# Allegro board MB1225_REVB_160222_1K.brd (continued)
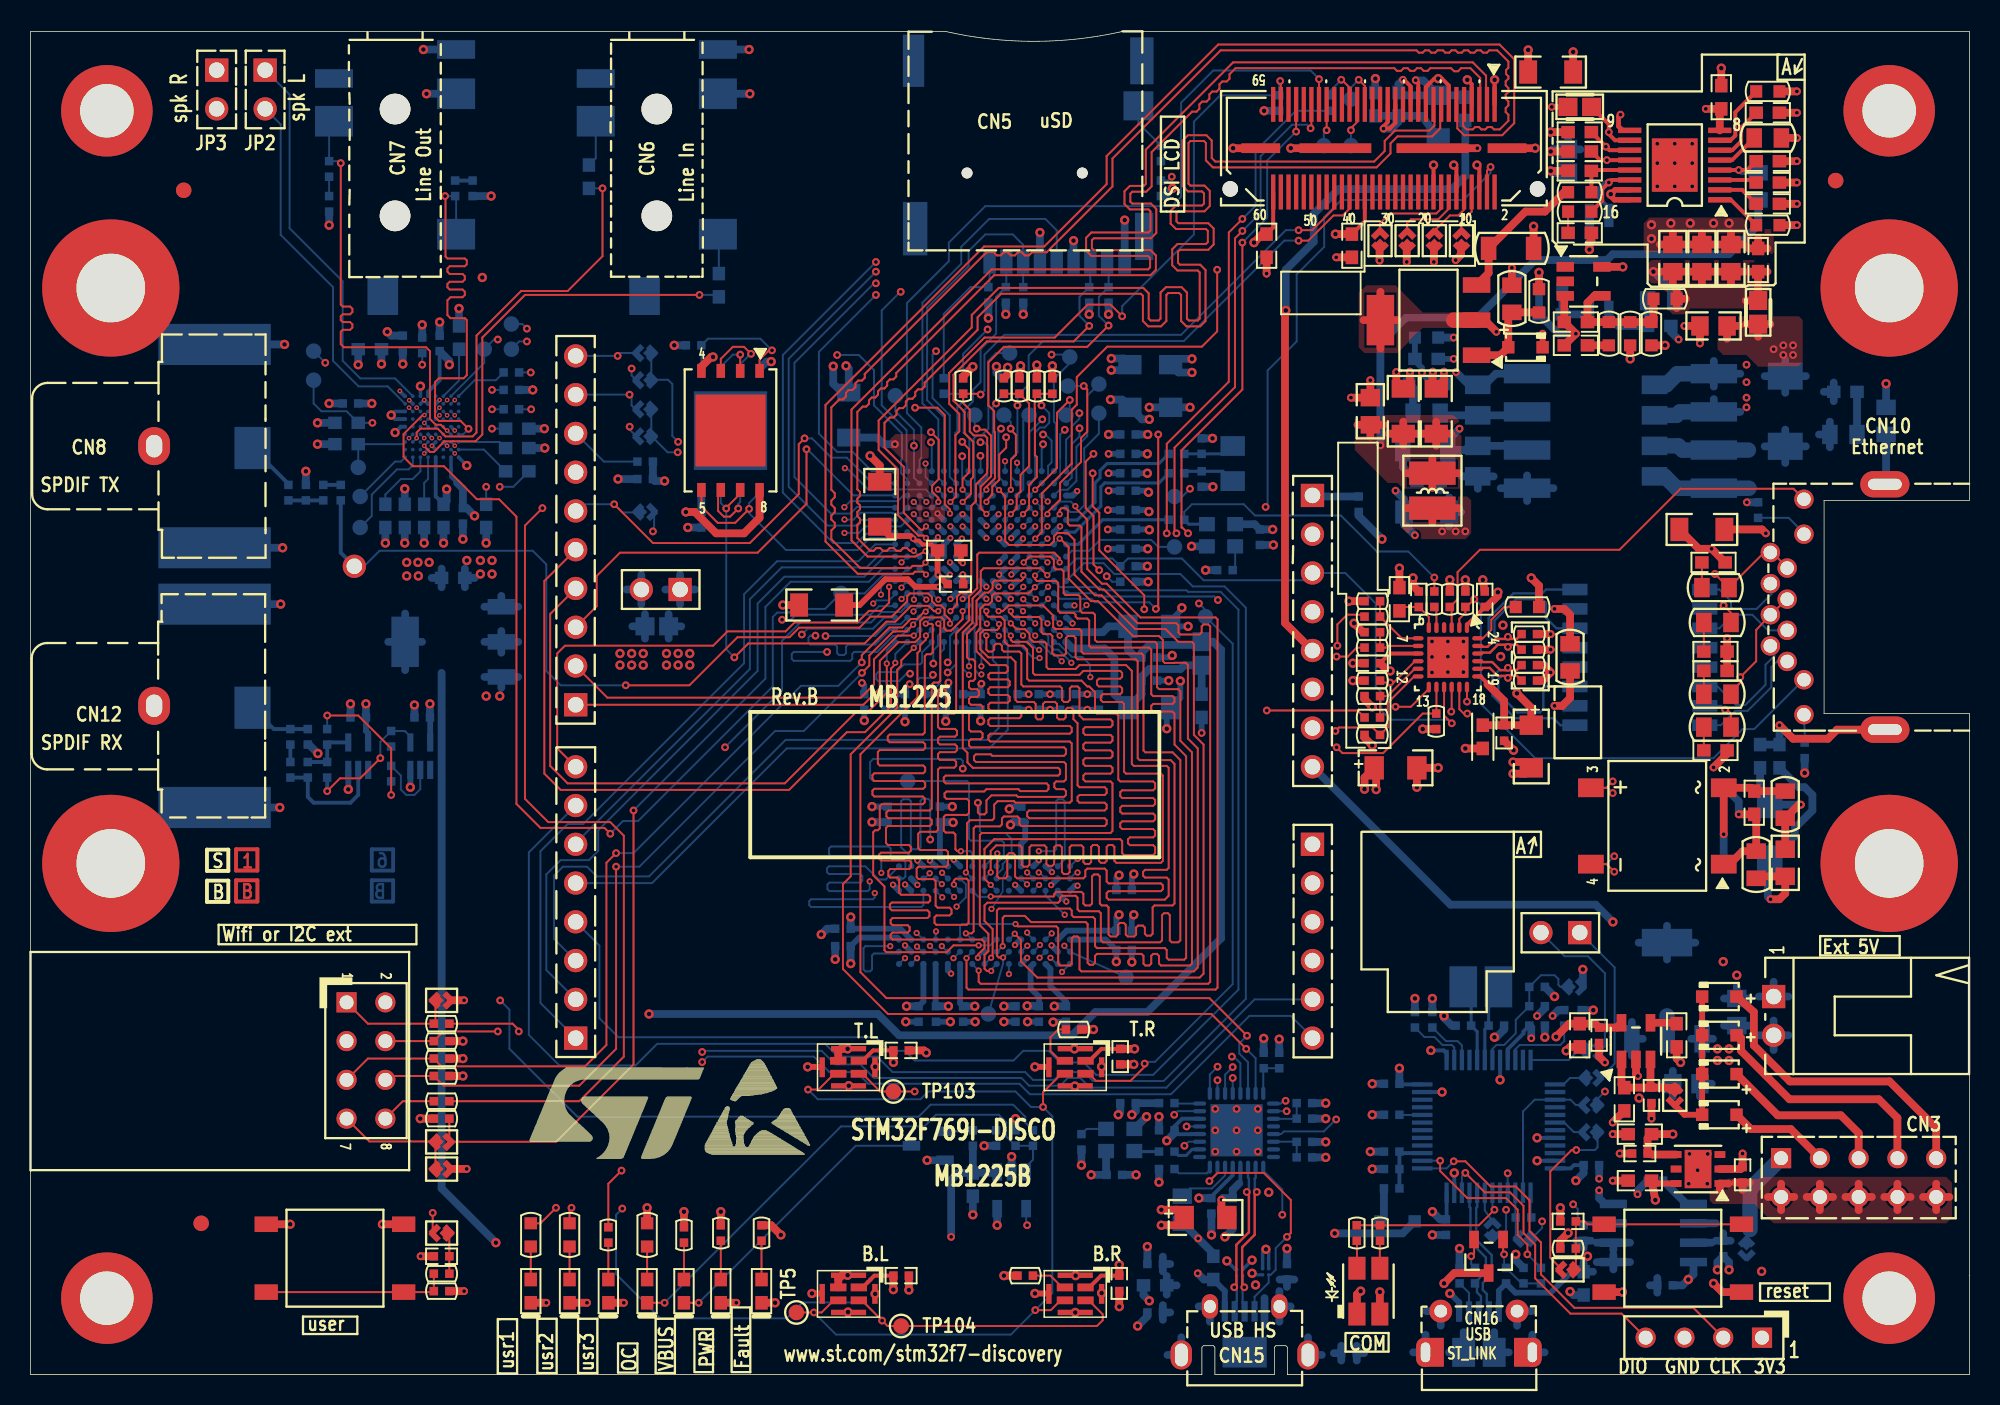
[diagram p0: board, top side]
## Placement (name value [footprint] x y rotation side) (continued)
SB5  Solder Bridge OFF  [JP2_SMD]  26.92 24.51 180 top
SB6  Solder Bridge OFF  [JP2_SMD]  26.92 15.24 180 top
SB7  Solder Bridge ON  [JP2_SMD]  107.7 18.29 90 top
SB8  Solder Bridge ON  [JP2_SMD]  26.92 13.46 180 top
SB9  Solder Bridge ON  [JP2_SMD]  26.93 9.27 0 top
SB10  Solder Bridge ON  [JP2_SMD]  100.71 6.86 0 top
SB11  Solder Bridge OFF  [JP2_SMD]  40.26 66.93 0 bottom
SB12  Solder Bridge ON  [JP2_SMD]  40.26 65.15 0 bottom
SB13  Solder Bridge OFF  [JP2_SMD]  40.26 63.25 0 bottom
SB14  Solder Bridge ON  [JP2_SMD]  40.26 61.47 0 bottom
SB15  Solder Bridge ON  [JP2_SMD]  40.26 56.52 180 bottom
SB16  Solder Bridge OFF  [JP2_SMD]  101.09 25.4 180 bottom
SB17  Solder Bridge ON  [JP2_SMD]  102.23 21.21 180 bottom
SB18  Solder Bridge ON  [JP2_SMD]  102.23 19.43 180 bottom
SB19  Solder Bridge ON  [JP2_SMD]  102.23 17.65 0 bottom
SB20  Solder Bridge ON  [JP2_SMD]  102.23 15.88 0 bottom
SB21  Solder Bridge ON  [JP2_SMD]  95.76 9.45 270 bottom
SB22  Solder Bridge ON  [JP2_SMD]  97.92 8.89 0 bottom
SB23  Solder Bridge OFF  [JP2_SMD]  112.39 8.26 90 bottom
T1  STN4NF20L  [SOT-223]  91.57 69.09 90 top
T2  POE30P50L  [TF_10R9X13R2-12R2X14R4_CPT]  104.14 61.82 90 bottom
T3  9013-SOT23  [SOT-23]  95.5 7.75 180 top
T4  H2019NL  [TF_16SM_12R7X9R65]  105.41 46.99 90 bottom
T5  9013-SOT23  [SOT-23]  58.8 14.99 270 bottom
T100  POE30P50L  [TF_8SM_12R04X12R85]  100.58 61.85 90 bottom
TP1  TP  [TP_C40]  86.49 83.57 90 bottom
TP2  TP  [TP_C40]  84.71 80.52 0 bottom
TP3  TP  [TP_C40]  86.49 80.52 90 bottom
TP5  TP  [TP_C40]  50.16 4.06 180 top
TP6  TP  [TP_C40]  31.5 68.83 180 bottom
TP7  TP  [TP_C40]  31.5 67.18 180 bottom
TP8  TP  [TP_C40]  29.72 67.18 180 bottom
TP9  TP  [TP_C40]  64.14 66.93 270 bottom
TP11  TP  [TP_C40]  68.07 66.67 180 bottom
TP12  TP  [TP_C40]  69.98 64.9 180 bottom
TP13  TP  [TP_C40]  67.94 64.77 180 bottom
TP14  TP  [TP_C40]  69.98 62.99 270 bottom
TP15  TP  [TP_C40]  67.82 62.87 180 bottom
TP16  TP  [TP_C40]  65.41 62.87 180 bottom
TP17  TP  [TP_C40]  63.75 62.87 180 bottom
TP18  TP  [TP_C40]  61.85 62.87 180 bottom
TP20  Test point 1 pin with hole  [TP]  21.21 52.96 180 bottom
TP21  TP  [TP_C40]  74.93 54.23 0 bottom
TP22  TP  [TP_C40]  53.09 51.18 270 bottom
TP26  TP  [TP_C40]  57.45 38.89 0 bottom
TP27  TP  [TP_C40]  71.75 26.04 0 bottom
TP28  TP  [TP_C40]  62.74 23.62 0 bottom
TP100  TP  [TP_C40]  56.64 64.14 180 bottom
TP101  TP  [TP_C40]  76.96 49.66 180 bottom
TP102  TP  [TP_C40]  74.93 57.53 180 bottom
TP103  TP  [TP_C40]  56.52 18.54 0 top
TP104  TP  [TP_C40]  57.02 3.17 0 top
TP105  TP  [TP_C40]  18.54 67.06 180 bottom
TP106  TP  [TP_C40]  21.59 55.5 180 bottom
TP107  TP  [TP_C40]  21.59 57.53 180 bottom
TP108  TP  [TP_C40]  21.46 59.44 180 bottom
TP109  TP  [TP_C40]  18.54 65.15 180 bottom
U1  PM8800A  [TSSOP16_0R65_5X6R4_TP]  107.7 79.25 90 top
U2  TS431AILT  [SOT23-5]  101.73 71.63 270 top
U3  LAN8742A-CZ-TR  [QFN24_0R5_4X4]  92.84 46.99 270 top
U4  LD3985M33R  [SOT-23-5L]  105.16 21.84 0 top
U5  MP34DT01  [MP34DT01TR]  53.58 20.13 270 top
U6  MP34DT01  [MP34DT01TR]  68.43 20.13 270 top
U7  LD39050PU33R  [DFN6_0R95_3X3]  109.22 13.46 90 top
U8  MP34DT01  [MP34DT01TR]  53.58 5.28 270 top
U9  MP34DT01  [MP34DT01TR]  68.43 5.28 270 top
U10  HMHA2801A  [PC_4SM_1R27_2R5X6R8]  102.74 72.77 180 bottom
U11  WM8994ECS_R  [BGA72_0R5_4R5X4]  26.29 62.1 270 bottom
U12  N25Q512A13GF840E (MICRON)  [DFN8_1R27_6X8_TP4R8X5R16]  45.85 61.85 0 bottom
U13  STM32F769NIH6  [BGA216_0R8_13X13]  62.23 53.59 180 bottom
U14  LD1117S18TR  [SOT-223]  27.69 48.01 270 bottom
U15  74LVC1G04SE  [SOT-353]  25.53 40.51 180 bottom
U16  74LVC1G04SE  [SOT-353]  21.46 40.51 180 bottom
U17  MT48LC4M32B2B5-6A  (MICRON)  [FBGA90_0R8_8X13]  62.48 30.1 270 bottom
U18  LD1117S50TR  [SOT-223]  107.19 25.15 180 bottom
U19  STM32F103CBT6  [LQFP48_0R5_9X9]  95.5 16.26 270 bottom
U20  USB3320C-EZK  [QFN32_0R5_5X5]  78.99 16 270 bottom
U21  STMPS2151STR  [SOT23-5]  64.26 12.06 0 bottom
U22  ST890CDR  [SOIC8_1R27_4R9X6]  106.3 9.27 90 bottom
U250  MX25L51245G (MACRONIX)  [SON8_1R27_6X8]  45.85 61.86 180 top
X1  NX3215SA-32.768K  [XTAL_2SM_3R2X1R5]  78.74 59.69 270 bottom
X2  NZ2520SB-25.00M  [OSC_4SM_2R5X2]  77.98 54.99 180 bottom
X3  NX3225GD-8.00M  [XTAL_2SM_3R2X2R5_H1]  95 25.4 180 bottom
X4  NZ2520SB-24.00M  [OSC_4SM_2R5X2]  71.37 15.37 0 bottom

## Library data of the parts
B1 B2 = PB10
C1 C2 C4-C12 C16 C17 C19 C21 C22 C24 C26 C32 C34 C37 C39 C60 C66 C67 C79 C94 C121 C122 C155 C200 = 0603C
C3 C20 C31 C70 C72 C75 C89 = 1206C
C13-C15 C18 C40 C81 = 0805C
C23 = 1206C: signal model: DEFAULT_CAPACITOR_2.2e+06pF_2_1
C25 = 0603C: signal model: DEFAULT_CAPACITOR_10pF_1_2
C27 C29 C33 C35 C42 C44 C53 C54 C64 C65 C71 C77 C85 C87 C103 C105 C109 C114 C117-C119 C123 C131-C134 C140 C141 C144 C145 C150 C152 C156 = 0402C: signal model: DEFAULT_CAPACITOR_100000pF_1_2
C28 = 0603C: signal model: DEFAULT_CAPACITOR_4.7e+07pF_2_1
C30 C50 C57 C59 C96 C153 = 0402C: signal model: DEFAULT_CAPACITOR_1e+07pF_1_2
C36 C38 C69 = TAN-A: signal model: DEFAULT_CAPACITOR_100000pF_1_2
C41 C73 C92 = 0603C: signal model: DEFAULT_CAPACITOR_1e+06pF_1_2
C43 C47 C48 C58 C95 = 0603C: signal model: DEFAULT_CAPACITOR_4.7e+06pF_1_2
C45 C46 C98 C157 = 0402C: signal model: DEFAULT_CAPACITOR_1e+06pF_1_2
C49 C55 C56 = 0402C: signal model: DEFAULT_CAPACITOR_2.2e+06pF_1_2
C51 C74 C82 C90 C93 C100 C148 = 0603C: signal model: DEFAULT_CAPACITOR_100000pF_1_2
C52 = TAN-A: signal model: DEFAULT_CAPACITOR_2.2e+06pF_2_1
C61 C101 C116 = TAN-A
C62 C63 C78 = 0603C: signal model: DEFAULT_CAPACITOR_1e+07pF_1_2
C68 = TAN-A: signal model: DEFAULT_CAPACITOR_20pF_1_2
C76 C80 C86 C97 C99 C102 C104 C106 C107 C110 C111 C113 C115 C125 C143 C147 C154 = 0402C
C83 C108 = 0402C: signal model: DEFAULT_CAPACITOR_6pF_1_2
C84 C126 C149 C151 = 0402C: signal model: DEFAULT_CAPACITOR_20pF_1_2
C88 C128 = 0402C: signal model: DEFAULT_CAPACITOR_33pF_1_2
C91 C112 C120 C130 C137 C142 C146 = 0402C: signal model: DEFAULT_CAPACITOR_4.7e+06pF_1_2
C124 C135 C138 = 0402C: signal model: DEFAULT_CAPACITOR_10000pF_1_2
C127 = 0402C: signal model: DEFAULT_CAPACITOR_1000pF_1_2
C129 = 0805C: signal model: DEFAULT_CAPACITOR_1e+06pF_1_2
C136 = 0402C: signal model: DEFAULT_CAPACITOR_10pF_1_2
C139 = 0805C: signal model: DEFAULT_CAPACITOR_22000pF_1_2
CN1 = QSH-030-01-F-D-A
CN2 = HDR_2X4_2R54
CN3 = HDR_2X5_2R54
CN4 = HDR_1X4_2R54
CN5 = MSD_PJS008_
CN6 CN7 = PJ3028B
CN8 CN12 = PHONE_JACK_JBB0819100002
CN9 = HDR_1X10_2R54_W
CN10 = RJ45_LED_KRJ-CB4R2GYZNL_EM
CN11 CN13 = HDR_1X8_2R54_W
CN14 = HDR_1X6_2R54_W
CN15 = MOLEX_47590001
CN16 = MICRO_USB_B_105017
D1 D3 D5-D8 D11 = SOD-323
D2 = SMB
D4 D9 = DBS101-107G
D10 = SMA
D12 D13 = BGA4_0R4_0R8X0R8
H1 H2 H6 H7 = HOLE_C6D3R5
H3-H5 H8 = HOLE_C9D4R5
JP1 = HDR_1X2_2R54_RA_11R35
JP2-JP5 = SIP2
L2-L4 L6-L8 = 0603L
L5 = LSM2_3R2X2R8_H2
LD1-LD7 = 0603D
LD8 = LED2_3528
R1 R4 R6 R11-R15 R25 R31 R62 R63 R65 R85 = 0603R
R2 = 0603R-GS: signal model: DEFAULT_RESISTOR_0.001OHM_1_2
R3 R10 = 0805R: signal model: 0402R_33
R5 = 0603R: signal model: DEFAULT_RESISTOR_0.001OHM_1_2
R7 R8 R17-R21 R27-R30 R32 R34-R37 R39-R41 R43-R45 R47 R50 R66 R67 R70 R73 R76 R79 R83 R89-R93 R97 R99 R103-R108 R113 R115 R123-R126 R128-R134 R137 R139 R148 R200 = 0402R
R9 = 1206R: signal model: DEFAULT_RESISTOR_1500OHM_1_2
R16 = 0603R-GS: signal model: DEFAULT_RESISTOR_10000OHM_1_2
R22 R75 = 0805R: signal model: DEFAULT_RESISTOR_2200OHM_1_2
R23 = 1206R: signal model: DEFAULT_RESISTOR_0.001OHM_1_2
R24 R42 R84 = 0805R
R26 = 0805R: signal model: DEFAULT_RESISTOR_820OHM_1_2
R33 R38 R46 R48 R142 = 0805R: signal model: DEFAULT_RESISTOR_0.001OHM_1_2
R49 = 0805R: signal model: DEFAULT_RESISTOR_4700OHM_1_2
R51 R77 R81 R94 R98 R101 R118 = 0402R: signal model: DEFAULT_RESISTOR_100000OHM_1_2
R52 R57 = 0402R: signal model: DEFAULT_RESISTOR_47000OHM_1_2
R54 R80 R86 R95 R121 R122 R146 R147 R149 = 0402R: signal model: DEFAULT_RESISTOR_0.001OHM_1_2
R56 = 0402R: signal model: DEFAULT_RESISTOR_510OHM_1_2
R58 R59 = 0402R: signal model: 0603R_[n/a]
R60 = 0402R: signal model: DEFAULT_RESISTOR_220000OHM_1_2
R61 = 0402R: signal model: DEFAULT_RESISTOR_2700OHM_1_2
R64 = 0402R: signal model: DEFAULT_RESISTOR_10OHM_1_2
R68 R71 R117 R120 R135 = 0402R: signal model: DEFAULT_RESISTOR_10000OHM_1_2
R74 = 0603R-GS: signal model: DEFAULT_RESISTOR_47000OHM_1_2
R78 = 0402R: signal model: DEFAULT_RESISTOR_820OHM_1_2
R82 R111 = 0402R: signal model: DEFAULT_RESISTOR_51OHM_1_2
R87 = 0402R: signal model: DEFAULT_RESISTOR_330OHM_1_2
R88 R100 R102 R114 R116 = 0402R: signal model: DEFAULT_RESISTOR_4700OHM_1_2
R96 = 0805R: signal model: DEFAULT_RESISTOR_1500OHM_1_2
R109 R110 = 0603R-GS
R112 R119 R144 R145 = 0402R: signal model: DEFAULT_RESISTOR_100OHM_1_2
R127 = 0402R: signal model: DEFAULT_RESISTOR_680OHM_1_2
R136 = 0402R: signal model: DEFAULT_RESISTOR_120OHM_1_2
R138 = 0402R: signal model: DEFAULT_RESISTOR_150OHM_1_2
R140 = 0402R: signal model: DEFAULT_RESISTOR_3300OHM_1_2
R141 = 0402R: signal model: DEFAULT_RESISTOR_5.1OHM_1_2
R143 = 0402R: signal model: DEFAULT_RESISTOR_47OHM_1_2
R150 = 0402R: signal model: DEFAULT_RESISTOR_33OHM_1_2
SB1-SB23 = JP2_SMD
T1 U14 U18 = SOT-223
T2 = TF_10R9X13R2-12R2X14R4_CPT
T3 T5 = SOT-23
T4 = TF_16SM_12R7X9R65
T100 = TF_8SM_12R04X12R85
TP1-TP3 TP5-TP9 TP11-TP18 TP21 TP22 TP26-TP28 TP100-TP109 = TP_C40
TP20 = TP
U1 = TSSOP16_0R65_5X6R4_TP
U2 U21 = SOT23-5
U3 = QFN24_0R5_4X4
U4 = SOT-23-5L
U5 U6 U8 U9 = MP34DT01TR
U7 = DFN6_0R95_3X3
U10 = PC_4SM_1R27_2R5X6R8
U11 = BGA72_0R5_4R5X4
U12 = DFN8_1R27_6X8_TP4R8X5R16
U13 = BGA216_0R8_13X13
U15 U16 = SOT-353
U17 = FBGA90_0R8_8X13
U19 = LQFP48_0R5_9X9
U20 = QFN32_0R5_5X5
U22 = SOIC8_1R27_4R9X6
U250 = SON8_1R27_6X8
X1 = XTAL_2SM_3R2X1R5
X2 X4 = OSC_4SM_2R5X2
X3 = XTAL_2SM_3R2X2R5_H1

## Footprints (pads in the part's own frame, mm; a bottom-side part is the same pattern mirrored in y, then rotated)
0402C
  rect 0.559x0.559 smd: 1(-0.508,0) 2(0.508,0)
0402R
  rect 0.559x0.559 smd: 1(-0.508,0) 2(0.508,0)
0603C
  rect 0.889x0.813 smd: 1(-0.762,0) 2(0.762,0)
0603D
  rect 0.889x0.813 smd: 1(-0.762,0) 2(0.762,0)
0603L
  rect 0.889x0.813 smd: 1(-0.762,0) 2(0.762,0)
0603R
  rect 0.787x0.813 smd: 1(-0.762,0) 2(0.762,0)
0603R-GS
  rect 1.245x1.194 smd: 1(-0.775,0) 2(0.775,0)
0805C
  rect 1.143x1.27 smd: 1(-0.889,0) 2(0.889,0)
0805R
  rect 1.016x1.27 smd: 1(-0.889,0) 2(0.889,0)
1206C
  rect 1.168x1.524 smd: 1(-1.473,0) 2(1.473,0)
1206R
  rect 1.016x1.524 smd: 1(-1.422,0) 2(1.524,0)
BGA4_0R4_0R8X0R8
  round 0.229 smd: A1(-0.2,0.2) A2(0.2,0.2) B1(-0.2,-0.2) B2(0.2,-0.2)
BGA72_0R5_4R5X4
  round 0.249 smd: A1(-2,1.75) A2(-1.5,1.75) A3(-1,1.75) A4(-0.5,1.75) A5(0,1.75) A6(0.5,1.75) A7(1,1.75) A8(1.5,1.75) A9(2,1.75) B1(-2,1.25) B2(-1.5,1.25) B3(-1,1.25) B4(-0.5,1.25) B5(0,1.25) B6(0.5,1.25) B7(1,1.25) B8(1.5,1.25) B9(2,1.25) C1(-2,0.75) C2(-1.5,0.75) C3(-1,0.75) C4(-0.5,0.75) C5(0,0.75) C6(0.5,0.75) C7(1,0.75) C8(1.5,0.75) C9(2,0.75) D1(-2,0.25) D2(-1.5,0.25) D3(-1,0.25) D4(-0.5,0.25) D5(0,0.25) D6(0.5,0.25) D7(1,0.25) D8(1.5,0.25) D9(2,0.25) E1(-2,-0.25) E2(-1.5,-0.25) E3(-1,-0.25) E4(-0.5,-0.25) E5(0,-0.25) E6(0.5,-0.25) E7(1,-0.25) E8(1.5,-0.25) E9(2,-0.25) F1(-2,-0.75) F2(-1.5,-0.75) F3(-1,-0.75) F4(-0.5,-0.75) F5(0,-0.75) F6(0.5,-0.75) F7(1,-0.75) F8(1.5,-0.75) F9(2,-0.75) G1(-2,-1.25) G2(-1.5,-1.25) G3(-1,-1.25) G4(-0.5,-1.25) G5(0,-1.25) G6(0.5,-1.25) G7(1,-1.25) G8(1.5,-1.25) G9(2,-1.25) H1(-2,-1.75) H2(-1.5,-1.75) H3(-1,-1.75) H4(-0.5,-1.75) H5(0,-1.75) H6(0.5,-1.75) H7(1,-1.75) H8(1.5,-1.75) H9(2,-1.75)
BGA216_0R8_13X13
  round 0.406 smd: A1(-5.6,5.6) A2(-4.8,5.6) A3(-4,5.6) A4(-3.2,5.6) A5(-2.4,5.6) A6(-1.6,5.6) A7(-0.8,5.6) A8(0,5.6) A9(0.8,5.6) A10(1.6,5.6) A11(2.4,5.6) A12(3.2,5.6) A13(4,5.6) A14(4.8,5.6) A15(5.6,5.6) B1(-5.6,4.8) B2(-4.8,4.8) B3(-4,4.8) B4(-3.2,4.8) B5(-2.4,4.8) B6(-1.6,4.8) B7(-0.8,4.8) B8(0,4.8) B9(0.8,4.8) B10(1.6,4.8) B11(2.4,4.8) B12(3.2,4.8) B13(4,4.8) B14(4.8,4.8) B15(5.6,4.8) C1(-5.6,4) C2(-4.8,4) C3(-4,4) C4(-3.2,4) C5(-2.4,4) C6(-1.6,4) C7(-0.8,4) C8(0,4) C9(0.8,4) C10(1.6,4) C11(2.4,4) C12(3.2,4) C13(4,4) C14(4.8,4) C15(5.6,4) D1(-5.6,3.2) D2(-4.8,3.2) D3(-4,3.2) D4(-3.2,3.2) D5(-2.4,3.2) D6(-1.6,3.2) D7(-0.8,3.2) D8(0,3.2) D9(0.8,3.2) D10(1.6,3.2) D11(2.4,3.2) D12(3.2,3.2) D13(4,3.2) D14(4.8,3.2) D15(5.6,3.2) E1(-5.6,2.4) E2(-4.8,2.4) E3(-4,2.4) E4(-3.2,2.4) E5(-2.4,2.4) E6(-1.6,2.4) E7(-0.8,2.4) E8(0,2.4) E9(0.8,2.4) E10(1.6,2.4) E11(2.4,2.4) E12(3.2,2.4) E13(4,2.4) E14(4.8,2.4) E15(5.6,2.4) F1(-5.6,1.6) F2(-4.8,1.6) F3(-4,1.6) F4(-3.2,1.6) F5(-2.4,1.6) F6(-1.6,1.6) F7(-0.8,1.6) F8(0,1.6) F9(0.8,1.6) F10(1.6,1.6) F11(2.4,1.6) F12(3.2,1.6) F13(4,1.6) F14(4.8,1.6) F15(5.6,1.6) G1(-5.6,0.8) G2(-4.8,0.8) G3(-4,0.8) G4(-3.2,0.8) G5(-2.4,0.8) G6(-1.6,0.8) G10(1.6,0.8) G11(2.4,0.8) G12(3.2,0.8) G13(4,0.8) G14(4.8,0.8) G15(5.6,0.8) H1(-5.6,0) H2(-4.8,0) H3(-4,0) H4(-3.2,0) H5(-2.4,0) H6(-1.6,0) H10(1.6,0) H11(2.4,0) H12(3.2,0) H13(4,0) H14(4.8,0) H15(5.6,0) J1(-5.6,-0.8) J2(-4.8,-0.8) J3(-4,-0.8) J4(-3.2,-0.8) J5(-2.4,-0.8) J6(-1.6,-0.8) J10(1.6,-0.8) J11(2.4,-0.8) J12(3.2,-0.8) J13(4,-0.8) J14(4.8,-0.8) J15(5.6,-0.8) K1(-5.6,-1.6) K2(-4.8,-1.6) K3(-4,-1.6) K4(-3.2,-1.6) K5(-2.4,-1.6) K6(-1.6,-1.6) K7(-0.8,-1.6) K8(0,-1.6) K9(0.8,-1.6) K10(1.6,-1.6) K11(2.4,-1.6) K12(3.2,-1.6) K13(4,-1.6) K14(4.8,-1.6) K15(5.6,-1.6) L1(-5.6,-2.4) L2(-4.8,-2.4) L3(-4,-2.4) L4(-3.2,-2.4) L5(-2.4,-2.4) L6(-1.6,-2.4) L7(-0.8,-2.4) L8(0,-2.4) L9(0.8,-2.4) L10(1.6,-2.4) L11(2.4,-2.4) L12(3.2,-2.4) L13(4,-2.4) L14(4.8,-2.4) L15(5.6,-2.4) M1(-5.6,-3.2) M2(-4.8,-3.2) M3(-4,-3.2) M4(-3.2,-3.2) M5(-2.4,-3.2) M6(-1.6,-3.2) M7(-0.8,-3.2) M8(0,-3.2) M9(0.8,-3.2) M10(1.6,-3.2) M11(2.4,-3.2) M12(3.2,-3.2) M13(4,-3.2) M14(4.8,-3.2) M15(5.6,-3.2) N1(-5.6,-4) N2(-4.8,-4) N3(-4,-4) N4(-3.2,-4) N5(-2.4,-4) N6(-1.6,-4) N7(-0.8,-4) N8(0,-4) N9(0.8,-4) N10(1.6,-4) N11(2.4,-4) N12(3.2,-4) N13(4,-4) N14(4.8,-4) N15(5.6,-4) P1(-5.6,-4.8) P2(-4.8,-4.8) P3(-4,-4.8) P4(-3.2,-4.8) P5(-2.4,-4.8) P6(-1.6,-4.8) P7(-0.8,-4.8) P8(0,-4.8) P9(0.8,-4.8) P10(1.6,-4.8) P11(2.4,-4.8) P12(3.2,-4.8) P13(4,-4.8) P14(4.8,-4.8) P15(5.6,-4.8) R1(-5.6,-5.6) R2(-4.8,-5.6) R3(-4,-5.6) R4(-3.2,-5.6) R5(-2.4,-5.6) R6(-1.6,-5.6) R7(-0.8,-5.6) R8(0,-5.6) R9(0.8,-5.6) R10(1.6,-5.6) R11(2.4,-5.6) R12(3.2,-5.6) R13(4,-5.6) R14(4.8,-5.6) R15(5.6,-5.6)
DBS101-107G
  rect 1.219x1.676 smd: 1(-2.5,-4.35) 2(2.5,-4.35) 3(2.5,4.35) 4(-2.5,4.35)
DFN6_0R95_3X3
  rect 0.457x0.711 smd: 1(-0.95,-1.436) 2(0,-1.436) 3(0.95,-1.436) 4(0.95,1.436) 5(0,1.436) 6(-0.95,1.436)
  rect 2.515x1.753 smd: 7(0,0)
DFN8_1R27_6X8_TP4R8X5R16
  rect 0.508x0.813 smd: 1(-1.905,-3.9) 2(-0.635,-3.9) 3(0.635,-3.9) 4(1.905,-3.9) 5(1.905,3.9) 6(0.635,3.9) 7(-0.635,3.9) 8(-1.905,3.9)
  rect 4.801x5.156 smd: 9(0,0)
FBGA90_0R8_8X13
  round 0.406 smd: A1(-3.2,5.6) A2(-2.4,5.6) A3(-1.6,5.6) A7(1.6,5.6) A8(2.4,5.6) A9(3.2,5.6) B1(-3.2,4.8) B2(-2.4,4.8) B3(-1.6,4.8) B7(1.6,4.8) B8(2.4,4.8) B9(3.2,4.8) C1(-3.2,4) C2(-2.4,4) C3(-1.6,4) C7(1.6,4) C8(2.4,4) C9(3.2,4) D1(-3.2,3.2) D2(-2.4,3.2) D3(-1.6,3.2) D7(1.6,3.2) D8(2.4,3.2) D9(3.2,3.2) E1(-3.2,2.4) E2(-2.4,2.4) E3(-1.6,2.4) E7(1.6,2.4) E8(2.4,2.4) E9(3.2,2.4) F1(-3.2,1.6) F2(-2.4,1.6) F3(-1.6,1.6) F7(1.6,1.6) F8(2.4,1.6) F9(3.2,1.6) G1(-3.2,0.8) G2(-2.4,0.8) G3(-1.6,0.8) G7(1.6,0.8) G8(2.4,0.8) G9(3.2,0.8) H1(-3.2,0) H2(-2.4,0) H3(-1.6,0) H7(1.6,0) H8(2.4,0) H9(3.2,0) J1(-3.2,-0.8) J2(-2.4,-0.8) J3(-1.6,-0.8) J7(1.6,-0.8) J8(2.4,-0.8) J9(3.2,-0.8) K1(-3.2,-1.6) K2(-2.4,-1.6) K3(-1.6,-1.6) K7(1.6,-1.6) K8(2.4,-1.6) K9(3.2,-1.6) L1(-3.2,-2.4) L2(-2.4,-2.4) L3(-1.6,-2.4) L7(1.6,-2.4) L8(2.4,-2.4) L9(3.2,-2.4) M1(-3.2,-3.2) M2(-2.4,-3.2) M3(-1.6,-3.2) M7(1.6,-3.2) M8(2.4,-3.2) M9(3.2,-3.2) N1(-3.2,-4) N2(-2.4,-4) N3(-1.6,-4) N7(1.6,-4) N8(2.4,-4) N9(3.2,-4) P1(-3.2,-4.8) P2(-2.4,-4.8) P3(-1.6,-4.8) P7(1.6,-4.8) P8(2.4,-4.8) P9(3.2,-4.8) R1(-3.2,-5.6) R2(-2.4,-5.6) R3(-1.6,-5.6) R7(1.6,-5.6) R8(2.4,-5.6) R9(3.2,-5.6)
HDR_1X2_2R54_RA_11R35
  rect 1.524x1.524 hole 1.016: 1(0,0)
  round 1.524 hole 1.016: 2(-2.54,0)
HDR_1X4_2R54
  rect 1.321x1.321 hole 0.914: 1(0,0)
  round 1.321 hole 0.914: 2(2.54,0) 3(5.08,0) 4(7.62,0)
HDR_1X6_2R54_W
  rect 1.524x1.524 hole 1.016: 1(0,0)
  round 1.524 hole 1.016: 2(2.54,0) 3(5.08,0) 4(7.62,0) 5(10.16,0) 6(12.7,0)
HDR_1X8_2R54_W
  rect 1.524x1.524 hole 1.016: 1(0,0)
  round 1.524 hole 1.016: 2(2.54,0) 3(5.08,0) 4(7.62,0) 5(10.16,0) 6(12.7,0) 7(15.24,0) 8(17.78,0)
HDR_1X10_2R54_W
  rect 1.524x1.524 hole 1.016: 1(0,0)
  round 1.524 hole 1.016: 2(2.54,0) 3(5.08,0) 4(7.62,0) 5(10.16,0) 6(12.7,0) 7(15.24,0) 8(17.78,0) 9(20.32,0) 10(22.86,0)
HDR_2X4_2R54
  rect 1.321x1.321 hole 0.914: 1(0,0)
  round 1.321 hole 0.914: 2(0,2.54) 3(2.54,0) 4(2.54,2.54) 5(5.08,0) 6(5.08,2.54) 7(7.62,0) 8(7.62,2.54)
HDR_2X5_2R54
  rect 1.321x1.321 hole 0.914: 1(0,0)
  round 1.321 hole 0.914: 2(0,2.54) 3(2.54,0) 4(2.54,2.54) 5(5.08,0) 6(5.08,2.54) 7(7.62,0) 8(7.62,2.54) 9(10.16,0) 10(10.16,2.54)
HOLE_C6D3R5
  round 5.994 hole 3.505: 1(0,0)
HOLE_C9D4R5
  round 8.992 hole 4.496: 1(0,0)
JP2_SMD
  round 0.152 smd: 1(-0.584,-0.008) 2(0.402,-0.03)
LED2_3528
  rect 1.118x1.499 smd: 1(-0.75,-1.5) 2(-0.75,1.5) 3(0.75,1.5) 4(0.75,-1.5)
LQFP48_0R5_9X9
  rect 1.346x0.279 smd: 1(-4.35,2.75) 2(-4.35,2.25) 3(-4.35,1.75) 4(-4.35,1.25) 5(-4.35,0.75) 6(-4.35,0.25) 7(-4.35,-0.25) 8(-4.35,-0.75) 9(-4.35,-1.25) 10(-4.35,-1.75) 11(-4.35,-2.25) 12(-4.35,-2.75) 25(4.35,-2.75) 26(4.35,-2.25) 27(4.35,-1.75) 28(4.35,-1.25) 29(4.35,-0.75) 30(4.35,-0.25) 31(4.35,0.25) 32(4.35,0.75) 33(4.35,1.25) 34(4.35,1.75) 35(4.35,2.25) 36(4.35,2.75)
  rect 0.279x1.346 smd: 13(-2.75,-4.35) 14(-2.25,-4.35) 15(-1.75,-4.35) 16(-1.25,-4.35) 17(-0.75,-4.35) 18(-0.25,-4.35) 19(0.25,-4.35) 20(0.75,-4.35) 21(1.25,-4.35) 22(1.75,-4.35) 23(2.25,-4.35) 24(2.75,-4.35) 37(2.75,4.35) 38(2.25,4.35) 39(1.75,4.35) 40(1.25,4.35) 41(0.75,4.35) 42(0.25,4.35) 43(-0.25,4.35) 44(-0.75,4.35) 45(-1.25,4.35) 46(-1.75,4.35) 47(-2.25,4.35) 48(-2.75,4.35)
LSM2_3R2X2R8_H2
  rect 1.524x3.048 smd: 1(-1.145,0) 2(1.145,0)
MICRO_USB_B_105017
  rect 0.406x1.346 smd: 1(-1.3,0.075) 2(-0.65,0.075) 3(0,0.075) 4(0.65,0.075) 5(1.3,0.075)
  oval 1.194x1.905 hole 0.61x1.295: 6(-3.5,-2.6) 7(3.5,-2.6)
  round 1.499 hole 0.838: 8(-2.5,0.1) 9(2.5,0.1)
  rect 1.499x1.905 smd: 10(-1,-2.6) 11(1,-2.6)
MOLEX_47590001
  rect 0.406x1.346 smd: 1(1.3,0) 2(0.65,0) 3(0,0) 4(-0.65,0) 5(-1.3,0)
  oval 1.067x1.6 hole 0.762x0.838: 6(2.275,0.325) 7(-2.275,0.325)
  oval 1.397x1.905 hole 0.838x1.499: 8(-4.15,-2.855) 9(4.15,-2.855)
  rect 2.896x2.007 smd: 10(0,-2.675)
MP34DT01TR
  rect 0.508x1.067 smd: 1(-0.425,0.675) 2(-0.425,-0.675) 3(0.425,-0.675) 4(0.425,0.675)
  round 0.152 smd: 5(-0.025,-1.753)
MSD_PJS008_
  round 0.711 hole 0.711 unplated: (0,0) (7.55,0)
  rect 0.813x1.6 smd: 1(1.475,5.8) 2(2.575,5.8) 3(3.675,5.8) 4(4.775,5.8) 5(5.875,5.8) 6(6.975,5.8) 7(8.075,5.8) 8(9.175,5.8)
  rect 0.838x1.6 smd: 9(10.325,5.8)
  rect 1.956x1.905 smd: 10(11.225,-4.4)
  rect 1.524x3.073 smd: 11(11.45,-7.35)
  rect 1.397x3.429 smd: 12(-3.503,-7.357)
  rect 1.6x3.505 smd: 13(-3.4,3.65)
  rect 1.194x3.099 smd: 14(11.6,4.15)
OSC_4SM_2R5X2
  rect 1.041x0.94 smd: 1(-0.925,-0.725) 2(0.925,-0.725) 3(0.925,0.725) 4(-0.925,0.725)
PB10
  rect 1.524x1.016 smd: 1(-4.5,-2.223) 2(-4.5,2.223) 3(4.5,2.223) 4(4.5,-2.223)
PC_4SM_1R27_2R5X6R8
  rect 0.61x1.524 smd: 1(-0.635,-3.177) 2(0.635,-3.177) 3(0.635,3.177) 4(-0.635,3.177)
PHONE_JACK_JBB0819100002
  oval 2.489x2.083 hole 1.473x1.067: 1(0,-4.28)
  rect 2.692x7.366 smd: 2(-6.662,-0.32) 3(6.662,-0.32)
  rect 2.769x2.362 smd: 4(-0.127,2.163)
PJ3028B
  round 2.007 hole 2.007 unplated: (0,0) (7,0)
  rect 1.219x2.489 smd: 2(-3.9,-4) 7(-2,4)
  rect 2.007x2.489 smd: 3(-1,-4) 4(0.8,4) 6(8.2,-4)
  rect 2.489x2.007 smd: 5(12.25,0.8)
QFN24_0R5_4X4
  oval 0.711x0.279 smd: 1(-1.95,1.25) 2(-1.95,0.75) 3(-1.95,0.25) 4(-1.95,-0.25) 5(-1.95,-0.75) 6(-1.95,-1.25) 13(1.95,-1.25) 14(1.95,-0.75) 15(1.95,-0.25) 16(1.95,0.25) 17(1.95,0.75) 18(1.95,1.25)
  oval 0.279x0.711 smd: 7(-1.25,-1.95) 8(-0.75,-1.95) 9(-0.25,-1.95) 10(0.25,-1.95) 11(0.75,-1.95) 12(1.25,-1.95) 19(1.25,1.95) 20(0.75,1.95) 21(0.25,1.95) 22(-0.25,1.95) 23(-0.75,1.95) 24(-1.25,1.95)
  rect 2.692x2.692 smd: 25(0,0)
QFN32_0R5_5X5
  oval 0.864x0.279 smd: 1(-2.42,1.75) 2(-2.42,1.25) 3(-2.42,0.75) 4(-2.42,0.25) 5(-2.42,-0.25) 6(-2.42,-0.75) 7(-2.42,-1.25) 8(-2.42,-1.75) 17(2.42,-1.75) 18(2.42,-1.25) 19(2.42,-0.75) 20(2.42,-0.25) 21(2.42,0.25) 22(2.42,0.75) 23(2.42,1.25) 24(2.42,1.75)
  oval 0.279x0.864 smd: 9(-1.75,-2.42) 10(-1.25,-2.42) 11(-0.75,-2.42) 12(-0.25,-2.42) 13(0.25,-2.42) 14(0.75,-2.42) 15(1.25,-2.42) 16(1.75,-2.42) 25(1.75,2.42) 26(1.25,2.42) 27(0.75,2.42) 28(0.25,2.42) 29(-0.25,2.42) 30(-0.75,2.42) 31(-1.25,2.42) 32(-1.75,2.42)
  rect 3.429x3.429 smd: 33(0,0)
QSH-030-01-F-D-A
  round 1.016 hole 1.016 unplated: (-10.065,2.67) (10.065,2.67)
  rect 0.279x2.286 smd: 1(-7.25,-2.87) 2(-7.25,2.87) 3(-6.75,-2.87) 4(-6.75,2.87) 5(-6.25,-2.87) 6(-6.25,2.87) 7(-5.75,-2.87) 8(-5.75,2.87) 9(-5.25,-2.87) 10(-5.25,2.87) 11(-4.75,-2.87) 12(-4.75,2.87) 13(-4.25,-2.87) 14(-4.25,2.87) 15(-3.75,-2.87) 16(-3.75,2.87) 17(-3.25,-2.87) 18(-3.25,2.87) 19(-2.75,-2.87) 20(-2.75,2.87) 21(-2.25,-2.87) 22(-2.25,2.87) 23(-1.75,-2.87) 24(-1.75,2.87) 25(-1.25,-2.87) 26(-1.25,2.87) 27(-0.75,-2.87) 28(-0.75,2.87) 29(-0.25,-2.87) 30(-0.25,2.87) 31(0.25,-2.87) 32(0.25,2.87) 33(0.75,-2.87) 34(0.75,2.87) 35(1.25,-2.87) 36(1.25,2.87) 37(1.75,-2.87) 38(1.75,2.87) 39(2.25,-2.87) 40(2.25,2.87) 41(2.75,-2.87) 42(2.75,2.87) 43(3.25,-2.87) 44(3.25,2.87) 45(3.75,-2.87) 46(3.75,2.87) 47(4.25,-2.87) 48(4.25,2.87) 49(4.75,-2.87) 50(4.75,2.87) 51(5.25,-2.87) 52(5.25,2.87) 53(5.75,-2.87) 54(5.75,2.87) 55(6.25,-2.87) 56(6.25,2.87) 57(6.75,-2.87) 58(6.75,2.87) 59(7.25,-2.87) 60(7.25,2.87)
  rect 2.54x0.635 smd: 61(-8.065,0) 64(8.065,0)
  rect 4.699x0.635 smd: 62(-3.175,0) 63(3.175,0)
RJ45_LED_KRJ-CB4R2GYZNL_EM
  round 1.27 hole 0.889: 1(3.57,-0.55) 2(2.55,0.55) 3(1.53,-0.55) 4(0.51,0.55) 5(-0.51,-0.55) 6(-1.53,0.55) 7(-2.55,-0.55) 8(-3.57,0.55) 9(7.06,-1.65) 10(4.77,-1.65) 11(-4.77,-1.65) 12(-7.06,-1.65)
  oval 1.727x3.226 hole 0.711x2.21: 13(-8.04,-6.95) 14(8.04,-6.95)
SIP2
  rect 1.524x1.524 hole 1.016: 1(0,0)
  round 1.524 hole 1.016: 2(2.54,0)
SMA
  rect 2.007x1.676 smd: 1(-1.9,0) 2(1.9,0)
SMB
  rect 1.778x2.286 smd: 1(2.3,0) 2(-2.3,0)
SOD-323
  rect 0.813x0.813 smd: 1(-1.125,0) 2(1.125,0)
SOIC8_1R27_4R9X6
  rect 0.559x1.778 smd: 1(-1.905,-2.624) 2(-0.635,-2.624) 3(0.635,-2.624) 4(1.905,-2.624) 5(1.905,2.624) 6(0.635,2.624) 7(-0.635,2.624) 8(-1.905,2.624)
SON8_1R27_6X8
  rect 0.559x0.914 smd: 1(-1.905,-3.9) 2(-0.635,-3.9) 3(0.635,-3.9) 4(1.905,-3.9) 5(1.905,3.9) 6(0.635,3.9) 7(-0.635,3.9) 8(-1.905,3.9)
  rect 4.597x4.699 smd: 9(0,0)
SOT23-5
  rect 0.635x1.143 smd: 1(-0.95,-1.2) 2(0,-1.2) 3(0.95,-1.2) 4(0.95,1.2) 5(-0.95,1.2)
SOT-23
  rect 0.635x1.143 smd: 1(-0.95,-1.1) 2(0.95,-1.1) 3(0,1.1)
SOT-23-5L
  rect 0.635x1.143 smd: 1(-0.95,-1.2) 2(0,-1.2) 3(0.95,-1.2) 4(0.95,1.2) 5(-0.95,1.2)
SOT-223
  rect 1.016x1.803 smd: 1(-2.3,-3.15) 2(0,-3.15) 3(2.3,-3.15)
  rect 3.302x1.803 smd: 4(0,3.15)
SOT-353
  rect 0.406x1.194 smd: 1(-0.65,-0.9) 2(0,-0.9) 3(0.65,-0.9) 4(0.65,0.9) 5(-0.65,0.9)
TAN-A
  rect 1.27x1.524 smd: 1(1.397,0) 2(-1.397,0)
TF_8SM_12R04X12R85
  rect 1.219x1.676 smd: 1(-3,-5.79) 2(-1,-5.79) 3(1,-5.79) 4(3,-5.79) 5(3,5.79) 6(1,5.79) 7(-1,5.79) 8(-3,5.79)
TF_10R9X13R2-12R2X14R4_CPT
  rect 1.27x3.048 smd: 1(3.75,-6.116) 2(1.25,-6.116) 3(-1.25,-6.116) 4(-3.75,-6.116) 5(-3.75,6.116) 6(-1.25,6.116) 7(1.25,6.116) 8(3.75,6.116)
TF_16SM_12R7X9R65
  rect 0.762x1.651 smd: 1(-4.445,-4.255) 2(-3.175,-4.255) 3(-1.905,-4.255) 4(-0.635,-4.255) 5(0.635,-4.255) 6(1.905,-4.255) 7(3.175,-4.255) 8(4.445,-4.255) 9(4.445,4.255) 10(3.175,4.255) 11(1.905,4.255) 12(0.635,4.255) 13(-0.635,4.255) 14(-1.905,4.255) 15(-3.175,4.255) 16(-4.445,4.255)
TP
  round 1.524 hole 1.016: 1(0,0)
TP_C40
  round 1.016 smd: 1(0,0)
TSSOP16_0R65_5X6R4_TP
  rect 0.356x1.524 smd: 1(-2.275,-2.95) 2(-1.625,-2.95) 3(-0.975,-2.95) 4(-0.325,-2.95) 5(0.325,-2.95) 6(0.975,-2.95) 7(1.625,-2.95) 8(2.275,-2.95) 9(2.275,2.95) 10(1.625,2.95) 11(0.975,2.95) 12(0.325,2.95) 13(-0.325,2.95) 14(-0.975,2.95) 15(-1.625,2.95) 16(-2.275,2.95)
  rect 3.505x2.997 smd: 17(0,0)
unnamed#2
  round 1.016 smd: (0,0)
XTAL_2SM_3R2X1R5
  rect 1.295x1.6 smd: 1(-1.15,0) 2(1.15,0)
XTAL_2SM_3R2X2R5_H1
  rect 1.803x2.692 smd: 1(-1.15,0) 2(1.15,0)

## Nets
1V8: C2.2 C64.1 C91.1 C94.1 C100.2 C145.2 CN1.60 U11.D1 U11.D8 U11.G9 U14.2 U14.4 U20.28 U20.30
3V3: B1.1 B1.4 C1.2 C33.2 C38.1 C44.1 C45.1 C48.2 C49.2 C55.1 C56.1 C65.1 C67.2 C71.1 C92.1 C96.2 C98.2 C117.2 C118.2 C123.2 C124.2 C125.2 C126.2 C127.2 C128.2 C130.2 C131.2 C133.2 C134.2 C135.2 C136.2 C137.2 C138.2 C144.1 C147.1 CN1.36 CN2.2 CN2.3 CN5.4 CN11.2 CN11.4 JP4.2 L2.2 R8.1 R17.2 R19.1 R20.1 R30.2 R34.2 R35.1 R37.1 R39.1 R41.1 R43.2 R45.2 R47.2 R51.2 R52.2 R54.1 R56.1 R65.2 R66.2 R67.2 R71.2 R76.2 R79.2 R80.2 R81.2 R82.2 R83.2 R86.2 R87.2 R89.1 R90.1 R91.1 R94.2 R106.2 R107.1 R109.2 R123.2 R125.2 R126.2 R130.1 R134.1 R137.2 R200.1 U3.9 U5.1 U6.1 U7.4 U8.1 U9.1 U11.B2 U11.C2 U11.D2 U11.E9 U12.8 U14.3 U15.5 U16.5 U17.A7 U17.B2 U17.B7 U17.C9 U17.D9 U17.E1 U17.F9 U17.L1 U17.L7 U17.M9 U17.N9 U17.P2 U17.P7 U17.R7 U250.8 X2.4 X4.4
3V3_ST_LINK: C41.1 C42.2 C140.1 C143.2 C146.2 C151.2 CN4.1 LD8.4 R118.2 R120.1 R138.2 T3.3 U4.5 U19.1 U19.9 U19.24 U19.36 U19.48
5V: C50.2 C51.2 C150.1 CN3.2 CN3.4 CN3.6 CN3.8 CN3.10 CN11.5 D11.1 L4.1 R58.1 U7.1 U7.6 U20.21 U21.5
5V_POE: C13.2 C14.2 C15.2 C16.2 CN3.7 D6.1 R11.2 R16.2 R84.2
5V_ST_LINK: C152.2 CN3.1 SB23.2 U22.6 U22.7
5V_USB_CHARGER: C155.2 CN3.9 CN16.1 D5.1 R59.2 R144.2 R147.2 R150.2 SB23.1 U22.1 U22.2
5V_USB_HS: CN3.3 CN15.1 D8.1 D12.A1 L7.2
AGND: C6.1 C7.1 C10.2 C11.2 R6.2 R74.2 U1.15 U1.16
VDD: C68.1 C69.1 C76.2 C80.2 C83.2 C86.2 C88.2 C97.2 C99.2 C104.2 C105.2 C106.2 C107.2 C108.2 C109.2 C110.2 C111.2 C112.2 C113.2 C114.2 C115.2 JP4.1 L6.1 R109.1 U13.C1 U13.E7 U13.E8 U13.E9 U13.E10 U13.F4 U13.F5 U13.F11 U13.G5 U13.G11 U13.H5 U13.H11 U13.J5 U13.J11 U13.K5 U13.K11 U13.L7 U13.L8 U13.L9 U13.L10
VDDA: C103.2 C116.1 L6.2 R110.1 U13.R1
VIN: C129.2 CN11.8 U18.3
AIN_1: R119.2 R120.2 U19.10
ARD_A0: CN14.1 U13.P3
ARD_A1: CN14.2 U13.N4
ARD_A2: CN14.3 U13.M4
ARD_A3: CN14.4 U13.L1
ARD_A4: SB14.1 U13.L3
ARD_A5: SB12.1 U13.L2
ARD_D0: CN13.1 U13.G15
ARD_D1: CN13.2 U13.H15
ARD_D2: CN13.3 U13.R7
ARD_D3: CN13.4 U13.K2
ARD_D4: CN13.5 U13.R6
ARD_D5: CN13.6 U13.G14
ARD_D6: CN13.7 U13.K1
ARD_D7: CN13.8 U13.N8
ARD_D8: CN9.1 U13.M9
ARD_D9: CN9.2 U13.P13
ARD_D10: CN9.3 U13.C15
ARD_D11: CN9.4 U13.R15
ARD_D12: CN9.5 U13.R14
ARD_D13: CN9.6 SB15.2 U13.B15
ARD_D14: CN9.9 R89.2 SB13.1 U13.B4
ARD_D15: CN9.10 R91.2 SB11.1 U13.A7
BOOT0: R18.2 R19.2 U13.E6
CHASSIS: C89.1 C121.1 C122.2 CN10.13 CN10.14 R96.1
DSI.DSI_CK_N: CN1.5 U13.H13
DSI.DSI_CK_P: CN1.3 U13.H12
DSI.DSI_D0_N: CN1.11 U13.J13
DSI.DSI_D0_P: CN1.9 U13.J12
DSI.DSI_D1_N: CN1.17 U13.F13
DSI.DSI_D1_P: CN1.15 U13.F12
DSI_VDD12: C23.2 C25.2 C27.2 U13.G13 U13.K12
E5V: C139.2 CN3.5 D7.1 JP1.1 R103.2 U18.2 U18.4
FMC_A0: U13.D2 U17.G8
FMC_A1: U13.E2 U17.G9
FMC_A2: U13.G2 U17.F7
FMC_A3: U13.H2 U17.F3
FMC_A4: U13.J2 U17.G1
FMC_A5: U13.K3 U17.G2
FMC_A6: U13.M6 U17.G3
FMC_A7: U13.N6 U17.H1
FMC_A8: U13.P6 U17.H2
FMC_A9: U13.M8 U17.J3
FMC_A10: U13.N7 U17.G7
FMC_A11: U13.M7 U17.H9
FMC_A12: U13.M13 U17.E3
FMC_D0: TP27.1 U13.L12 U17.R8
FMC_D1: U13.K13 U17.N7
FMC_D2: U13.B12 U17.R9
FMC_D3: U13.C12 U17.N8
FMC_D4: U13.R8 U17.P9
FMC_D5: U13.N9 U17.M8
FMC_D6: U13.P9 U17.M7
FMC_D7: U13.R9 U17.L8
FMC_D8: U13.P10 U17.L2
FMC_D9: U13.R10 U17.M3
FMC_D10: U13.R12 U17.M2
FMC_D11: U13.P11 U17.P1
FMC_D12: U13.R11 U17.N2
FMC_D13: U13.L15 U17.R1
FMC_D14: U13.L14 U17.N3
FMC_D15: U13.K15 U17.R2
FMC_D16: U13.P14 U17.E8
FMC_D17: U13.N14 U17.D7
FMC_D18: U13.P15 U17.D8
FMC_D19: U13.N15 U17.B9
FMC_D20: U13.M15 U17.C8
FMC_D21: U13.E12 U17.A9
FMC_D22: U13.E13 U17.C7
FMC_D23: U13.D13 U17.A8
FMC_D24: U13.E14 U17.A2
FMC_D25: U13.D14 U17.C3
FMC_D26: U13.C14 U17.A1
FMC_D27: U13.C13 U17.C2
FMC_D28: U13.D6 U17.B1
FMC_D29: U13.D4 U17.D2
FMC_D30: U13.E4 U17.D3
FMC_D31: U13.D5 U17.E2
LED_G_A: CN10.12 R28.2 U3.3
LED_G_K: CN10.11 R105.2
LED_STLINK: R60.1 R61.1 U19.30
LED_Y_A: CN10.10 R29.2 U3.2
LED_Y_K: CN10.9 R113.2
LRCLK: CN1.37 TP3.1
MIC_CLK: TP105.1 U11.C6
MIC_DATA1: TP106.1 U11.B9
MIC_DATA2: TP107.1 U11.A9
MIC_VDD1: C79.2 TP108.1 U11.A7
MIC_VDD2: C73.2 TP109.1 U11.B6
NETB1_2: B1.2 B1.3 R68.2 R70.2
NETB2_1: B2.1 B2.4 C53.2 R67.1 SB10.2
NETC4_1: C4.1 C5.1 C8.1 C40.1 C122.1 D10.1 R1.1 R3.1 R48.2 U1.8 U1.17
NETC5_2: C5.2 U1.6
NETC6_2: C6.2 C24.2 D3.2 R25.2 U1.11
NETC7_2: C7.2 R25.1 U1.12
NETC8_2: C8.2 R75.1 U1.4
NETC9_2: C9.2 R4.1 U1.13
NETC10_1: C10.1 U1.3
NETC11_1: C11.1 U1.2
NETC12_2: C12.2 R5.1
NETC17_1: C17.1 C19.1 C200.2 R85.2 U2.3
NETC17_2: C17.2 R11.1 R13.2 R14.2 R15.2 U2.4
NETC18_2: C18.2 C21.2 D2.2 R16.1
NETC19_2: C19.2 R13.1
NETC21_1: C21.1 R22.2
NETC22_1: C22.1 R23.1
NETC26_1: C26.1 C32.1 C34.1 C37.1 C89.2
NETC26_2: C26.2 R26.1
NETC28_2: C28.2 C29.2 U3.6
NETC30_2: C30.2 C35.2 C36.1 L2.1 U3.1 U3.19
NETC31_2: C31.2 U13.L11
NETC32_2: C32.2 R33.1
NETC34_2: C34.2 R42.1
NETC37_2: C37.2 R46.1
NETC39_1: C39.1 D4.2 D9.2 R48.1
NETC39_2: C39.2 D4.1 D9.1 R49.1
NETC40_2: C40.2 C70.2 C75.2 C81.2 C121.2 D10.2 L5.2 R49.2 R75.2
NETC43_2: C43.2 U4.4
NETC46_2: C46.2 C47.2 SB7.2 U4.1 U4.3
NETC52_2: C52.2 C149.2 U20.20
NETC54_2: C54.2 R68.1 SB9.2
NETC57_1: C57.1 CN7.4 U11.G6
NETC57_2: C57.2 R78.1
NETC58_1: C58.1 U11.B7
NETC58_2: C58.2 CN6.4
NETC59_1: C59.1 CN7.6 U11.H6
NETC59_2: C59.2 R77.1
NETC60_1: C60.1 C61.2 CN1.27 CN1.29 L3.2
NETC60_2: C60.2 C61.1 CN1.21 CN1.23 L4.2
NETC62_1: C62.1 U11.D7
NETC62_2: C62.2 CN6.6
NETC63_2: C63.2 U11.F1
NETC66_1: C66.1 R84.1 U10.1
NETC72_2: C72.2 U13.E11
NETC74_1: C74.1 U11.G7
NETC77_2: C77.2 R97.1 X1.1
NETC78_1: C78.1 U11.H7
NETC82_1: C82.1 U11.H8
NETC82_2: C82.2 U11.G8
NETC84_2: C84.2 R99.1 X1.2
NETC87_1: C87.1 R101.2 R102.1
NETC87_2: C87.2 CN8.4
NETC90_1: C90.1 U11.E6
NETC93_1: C93.1 U11.D9
NETC95_2: C95.2 U11.C9
NETC119_1: C119.1 R114.1 R115.2 U16.4
NETC119_2: C119.2 R117.1
NETC120_1: C120.1 CN12.4 R111.2
NETC120_2: C120.2 R116.1
NETC148_1: C148.1 L7.1 R132.1 R142.2 U21.1
NETC153_2: C153.2 C154.2 C156.2 C157.2 CN15.5 CN15.6 CN15.7 CN15.8 CN15.9 CN15.10 L8.2
